# KiCad board PixelWave.kicad_pcb (continued)
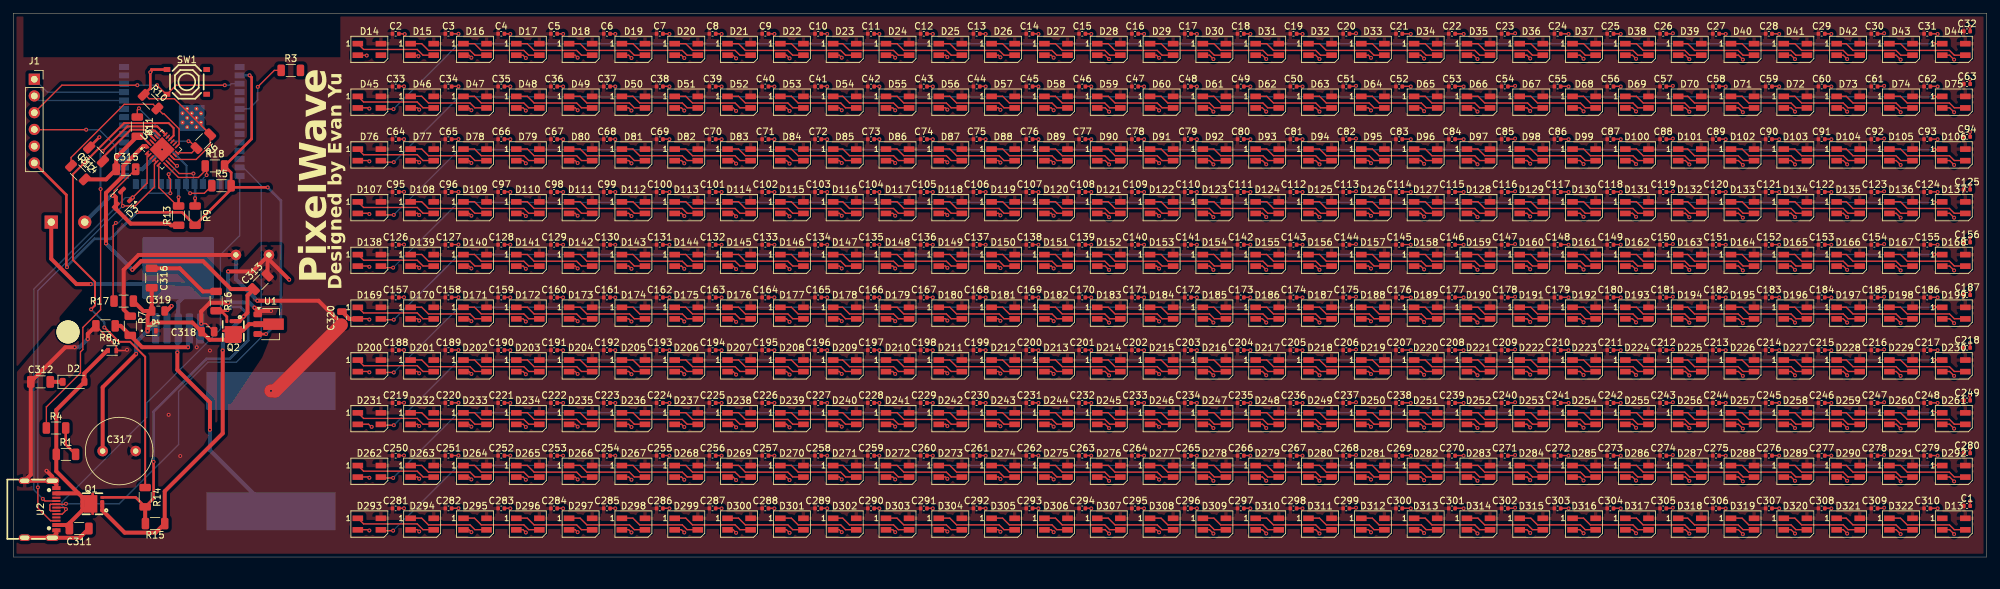
[diagram p0: board, top side]
## Placement (name value [footprint] x y rotation side) (continued)
D86  SK6812  [LED_SK6812MINI_PLCC4_3.5x3.5mm_P1.75mm]  133.95 61 0 top
D87  SK6812  [LED_SK6812MINI_PLCC4_3.5x3.5mm_P1.75mm]  141.95 61 0 top
D88  SK6812  [LED_SK6812MINI_PLCC4_3.5x3.5mm_P1.75mm]  149.95 61 0 top
D89  SK6812  [LED_SK6812MINI_PLCC4_3.5x3.5mm_P1.75mm]  157.95 61 0 top
D90  SK6812  [LED_SK6812MINI_PLCC4_3.5x3.5mm_P1.75mm]  165.95 61 0 top
D91  SK6812  [LED_SK6812MINI_PLCC4_3.5x3.5mm_P1.75mm]  173.95 61 0 top
D92  SK6812  [LED_SK6812MINI_PLCC4_3.5x3.5mm_P1.75mm]  181.95 61 0 top
D93  SK6812  [LED_SK6812MINI_PLCC4_3.5x3.5mm_P1.75mm]  189.95 61 0 top
D94  SK6812  [LED_SK6812MINI_PLCC4_3.5x3.5mm_P1.75mm]  197.95 61 0 top
D95  SK6812  [LED_SK6812MINI_PLCC4_3.5x3.5mm_P1.75mm]  205.95 61 0 top
D96  SK6812  [LED_SK6812MINI_PLCC4_3.5x3.5mm_P1.75mm]  213.95 61 0 top
D97  SK6812  [LED_SK6812MINI_PLCC4_3.5x3.5mm_P1.75mm]  221.95 61 0 top
D98  SK6812  [LED_SK6812MINI_PLCC4_3.5x3.5mm_P1.75mm]  229.95 61 0 top
D99  SK6812  [LED_SK6812MINI_PLCC4_3.5x3.5mm_P1.75mm]  237.95 61 0 top
D100  SK6812  [LED_SK6812MINI_PLCC4_3.5x3.5mm_P1.75mm]  245.95 61 0 top
D101  SK6812  [LED_SK6812MINI_PLCC4_3.5x3.5mm_P1.75mm]  253.95 61 0 top
D102  SK6812  [LED_SK6812MINI_PLCC4_3.5x3.5mm_P1.75mm]  261.95 61 0 top
D103  SK6812  [LED_SK6812MINI_PLCC4_3.5x3.5mm_P1.75mm]  269.95 61 0 top
D104  SK6812  [LED_SK6812MINI_PLCC4_3.5x3.5mm_P1.75mm]  277.95 61 0 top
D105  SK6812  [LED_SK6812MINI_PLCC4_3.5x3.5mm_P1.75mm]  285.95 61 0 top
D106  SK6812  [LED_SK6812MINI_PLCC4_3.5x3.5mm_P1.75mm]  293.95 61 0 top
D107  SK6812  [LED_SK6812MINI_PLCC4_3.5x3.5mm_P1.75mm]  53.95 53 0 top
D108  SK6812  [LED_SK6812MINI_PLCC4_3.5x3.5mm_P1.75mm]  61.95 53 0 top
D109  SK6812  [LED_SK6812MINI_PLCC4_3.5x3.5mm_P1.75mm]  69.95 53 0 top
D110  SK6812  [LED_SK6812MINI_PLCC4_3.5x3.5mm_P1.75mm]  77.95 53 0 top
D111  SK6812  [LED_SK6812MINI_PLCC4_3.5x3.5mm_P1.75mm]  85.95 53 0 top
D112  SK6812  [LED_SK6812MINI_PLCC4_3.5x3.5mm_P1.75mm]  93.95 53 0 top
D113  SK6812  [LED_SK6812MINI_PLCC4_3.5x3.5mm_P1.75mm]  101.95 53 0 top
D114  SK6812  [LED_SK6812MINI_PLCC4_3.5x3.5mm_P1.75mm]  109.95 53 0 top
D115  SK6812  [LED_SK6812MINI_PLCC4_3.5x3.5mm_P1.75mm]  117.95 53 0 top
D116  SK6812  [LED_SK6812MINI_PLCC4_3.5x3.5mm_P1.75mm]  125.95 53 0 top
D117  SK6812  [LED_SK6812MINI_PLCC4_3.5x3.5mm_P1.75mm]  133.95 53 0 top
D118  SK6812  [LED_SK6812MINI_PLCC4_3.5x3.5mm_P1.75mm]  141.95 53 0 top
D119  SK6812  [LED_SK6812MINI_PLCC4_3.5x3.5mm_P1.75mm]  149.95 53 0 top
D120  SK6812  [LED_SK6812MINI_PLCC4_3.5x3.5mm_P1.75mm]  157.95 53 0 top
D121  SK6812  [LED_SK6812MINI_PLCC4_3.5x3.5mm_P1.75mm]  165.95 53 0 top
D122  SK6812  [LED_SK6812MINI_PLCC4_3.5x3.5mm_P1.75mm]  173.95 53 0 top
D123  SK6812  [LED_SK6812MINI_PLCC4_3.5x3.5mm_P1.75mm]  181.95 53 0 top
D124  SK6812  [LED_SK6812MINI_PLCC4_3.5x3.5mm_P1.75mm]  189.95 53 0 top
D125  SK6812  [LED_SK6812MINI_PLCC4_3.5x3.5mm_P1.75mm]  197.95 53 0 top
D126  SK6812  [LED_SK6812MINI_PLCC4_3.5x3.5mm_P1.75mm]  205.95 53 0 top
D127  SK6812  [LED_SK6812MINI_PLCC4_3.5x3.5mm_P1.75mm]  213.95 53 0 top
D128  SK6812  [LED_SK6812MINI_PLCC4_3.5x3.5mm_P1.75mm]  221.95 53 0 top
D129  SK6812  [LED_SK6812MINI_PLCC4_3.5x3.5mm_P1.75mm]  229.95 53 0 top
D130  SK6812  [LED_SK6812MINI_PLCC4_3.5x3.5mm_P1.75mm]  237.95 53 0 top
D131  SK6812  [LED_SK6812MINI_PLCC4_3.5x3.5mm_P1.75mm]  245.95 53 0 top
D132  SK6812  [LED_SK6812MINI_PLCC4_3.5x3.5mm_P1.75mm]  253.95 53 0 top
D133  SK6812  [LED_SK6812MINI_PLCC4_3.5x3.5mm_P1.75mm]  261.95 53 0 top
D134  SK6812  [LED_SK6812MINI_PLCC4_3.5x3.5mm_P1.75mm]  269.95 53 0 top
D135  SK6812  [LED_SK6812MINI_PLCC4_3.5x3.5mm_P1.75mm]  277.95 53 0 top
D136  SK6812  [LED_SK6812MINI_PLCC4_3.5x3.5mm_P1.75mm]  285.95 53 0 top
D137  SK6812  [LED_SK6812MINI_PLCC4_3.5x3.5mm_P1.75mm]  293.95 53 0 top
D138  SK6812  [LED_SK6812MINI_PLCC4_3.5x3.5mm_P1.75mm]  53.95 45 0 top
D139  SK6812  [LED_SK6812MINI_PLCC4_3.5x3.5mm_P1.75mm]  61.95 45 0 top
D140  SK6812  [LED_SK6812MINI_PLCC4_3.5x3.5mm_P1.75mm]  69.95 45 0 top
D141  SK6812  [LED_SK6812MINI_PLCC4_3.5x3.5mm_P1.75mm]  77.95 45 0 top
D142  SK6812  [LED_SK6812MINI_PLCC4_3.5x3.5mm_P1.75mm]  85.95 45 0 top
D143  SK6812  [LED_SK6812MINI_PLCC4_3.5x3.5mm_P1.75mm]  93.95 45 0 top
D144  SK6812  [LED_SK6812MINI_PLCC4_3.5x3.5mm_P1.75mm]  101.95 45 0 top
D145  SK6812  [LED_SK6812MINI_PLCC4_3.5x3.5mm_P1.75mm]  109.95 45 0 top
D146  SK6812  [LED_SK6812MINI_PLCC4_3.5x3.5mm_P1.75mm]  117.95 45 0 top
D147  SK6812  [LED_SK6812MINI_PLCC4_3.5x3.5mm_P1.75mm]  125.95 45 0 top
D148  SK6812  [LED_SK6812MINI_PLCC4_3.5x3.5mm_P1.75mm]  133.95 45 0 top
D149  SK6812  [LED_SK6812MINI_PLCC4_3.5x3.5mm_P1.75mm]  141.95 45 0 top
D150  SK6812  [LED_SK6812MINI_PLCC4_3.5x3.5mm_P1.75mm]  149.95 45 0 top
D151  SK6812  [LED_SK6812MINI_PLCC4_3.5x3.5mm_P1.75mm]  157.95 45 0 top
D152  SK6812  [LED_SK6812MINI_PLCC4_3.5x3.5mm_P1.75mm]  165.95 45 0 top
D153  SK6812  [LED_SK6812MINI_PLCC4_3.5x3.5mm_P1.75mm]  173.95 45 0 top
D154  SK6812  [LED_SK6812MINI_PLCC4_3.5x3.5mm_P1.75mm]  181.95 45 0 top
D155  SK6812  [LED_SK6812MINI_PLCC4_3.5x3.5mm_P1.75mm]  189.95 45 0 top
D156  SK6812  [LED_SK6812MINI_PLCC4_3.5x3.5mm_P1.75mm]  197.95 45 0 top
D157  SK6812  [LED_SK6812MINI_PLCC4_3.5x3.5mm_P1.75mm]  205.95 45 0 top
D158  SK6812  [LED_SK6812MINI_PLCC4_3.5x3.5mm_P1.75mm]  213.95 45 0 top
D159  SK6812  [LED_SK6812MINI_PLCC4_3.5x3.5mm_P1.75mm]  221.95 45 0 top
D160  SK6812  [LED_SK6812MINI_PLCC4_3.5x3.5mm_P1.75mm]  229.95 45 0 top
D161  SK6812  [LED_SK6812MINI_PLCC4_3.5x3.5mm_P1.75mm]  237.95 45 0 top
D162  SK6812  [LED_SK6812MINI_PLCC4_3.5x3.5mm_P1.75mm]  245.95 45 0 top
D163  SK6812  [LED_SK6812MINI_PLCC4_3.5x3.5mm_P1.75mm]  253.95 45 0 top
D164  SK6812  [LED_SK6812MINI_PLCC4_3.5x3.5mm_P1.75mm]  261.95 45 0 top
D165  SK6812  [LED_SK6812MINI_PLCC4_3.5x3.5mm_P1.75mm]  269.95 45 0 top
D166  SK6812  [LED_SK6812MINI_PLCC4_3.5x3.5mm_P1.75mm]  277.95 45 0 top
D167  SK6812  [LED_SK6812MINI_PLCC4_3.5x3.5mm_P1.75mm]  285.95 45 0 top
D168  SK6812  [LED_SK6812MINI_PLCC4_3.5x3.5mm_P1.75mm]  293.95 45 0 top
D169  SK6812  [LED_SK6812MINI_PLCC4_3.5x3.5mm_P1.75mm]  53.95 37 0 top
D170  SK6812  [LED_SK6812MINI_PLCC4_3.5x3.5mm_P1.75mm]  61.95 37 0 top
D171  SK6812  [LED_SK6812MINI_PLCC4_3.5x3.5mm_P1.75mm]  69.95 37 0 top
D172  SK6812  [LED_SK6812MINI_PLCC4_3.5x3.5mm_P1.75mm]  77.95 37 0 top
D173  SK6812  [LED_SK6812MINI_PLCC4_3.5x3.5mm_P1.75mm]  85.95 37 0 top
D174  SK6812  [LED_SK6812MINI_PLCC4_3.5x3.5mm_P1.75mm]  93.95 37 0 top
D175  SK6812  [LED_SK6812MINI_PLCC4_3.5x3.5mm_P1.75mm]  101.95 37 0 top
D176  SK6812  [LED_SK6812MINI_PLCC4_3.5x3.5mm_P1.75mm]  109.95 37 0 top
D177  SK6812  [LED_SK6812MINI_PLCC4_3.5x3.5mm_P1.75mm]  117.95 37 0 top
D178  SK6812  [LED_SK6812MINI_PLCC4_3.5x3.5mm_P1.75mm]  125.95 37 0 top
D179  SK6812  [LED_SK6812MINI_PLCC4_3.5x3.5mm_P1.75mm]  133.95 37 0 top
D180  SK6812  [LED_SK6812MINI_PLCC4_3.5x3.5mm_P1.75mm]  141.95 37 0 top
D181  SK6812  [LED_SK6812MINI_PLCC4_3.5x3.5mm_P1.75mm]  149.95 37 0 top
D182  SK6812  [LED_SK6812MINI_PLCC4_3.5x3.5mm_P1.75mm]  157.95 37 0 top
D183  SK6812  [LED_SK6812MINI_PLCC4_3.5x3.5mm_P1.75mm]  165.95 37 0 top
D184  SK6812  [LED_SK6812MINI_PLCC4_3.5x3.5mm_P1.75mm]  173.95 37 0 top
D185  SK6812  [LED_SK6812MINI_PLCC4_3.5x3.5mm_P1.75mm]  181.95 37 0 top
D186  SK6812  [LED_SK6812MINI_PLCC4_3.5x3.5mm_P1.75mm]  189.95 37 0 top
D187  SK6812  [LED_SK6812MINI_PLCC4_3.5x3.5mm_P1.75mm]  197.95 37 0 top
D188  SK6812  [LED_SK6812MINI_PLCC4_3.5x3.5mm_P1.75mm]  205.95 37 0 top
D189  SK6812  [LED_SK6812MINI_PLCC4_3.5x3.5mm_P1.75mm]  213.95 37 0 top
D190  SK6812  [LED_SK6812MINI_PLCC4_3.5x3.5mm_P1.75mm]  221.95 37 0 top
D191  SK6812  [LED_SK6812MINI_PLCC4_3.5x3.5mm_P1.75mm]  229.95 37 0 top
D192  SK6812  [LED_SK6812MINI_PLCC4_3.5x3.5mm_P1.75mm]  237.95 37 0 top
D193  SK6812  [LED_SK6812MINI_PLCC4_3.5x3.5mm_P1.75mm]  245.95 37 0 top
D194  SK6812  [LED_SK6812MINI_PLCC4_3.5x3.5mm_P1.75mm]  253.95 37 0 top
D195  SK6812  [LED_SK6812MINI_PLCC4_3.5x3.5mm_P1.75mm]  261.95 37 0 top
D196  SK6812  [LED_SK6812MINI_PLCC4_3.5x3.5mm_P1.75mm]  269.95 37 0 top
D197  SK6812  [LED_SK6812MINI_PLCC4_3.5x3.5mm_P1.75mm]  277.95 37 0 top
D198  SK6812  [LED_SK6812MINI_PLCC4_3.5x3.5mm_P1.75mm]  285.95 37 0 top
D199  SK6812  [LED_SK6812MINI_PLCC4_3.5x3.5mm_P1.75mm]  293.95 37 0 top
D200  SK6812  [LED_SK6812MINI_PLCC4_3.5x3.5mm_P1.75mm]  53.95 29 0 top
D201  SK6812  [LED_SK6812MINI_PLCC4_3.5x3.5mm_P1.75mm]  61.95 29 0 top
D202  SK6812  [LED_SK6812MINI_PLCC4_3.5x3.5mm_P1.75mm]  69.95 29 0 top
D203  SK6812  [LED_SK6812MINI_PLCC4_3.5x3.5mm_P1.75mm]  77.95 29 0 top
D204  SK6812  [LED_SK6812MINI_PLCC4_3.5x3.5mm_P1.75mm]  85.95 29 0 top
D205  SK6812  [LED_SK6812MINI_PLCC4_3.5x3.5mm_P1.75mm]  93.95 29 0 top
D206  SK6812  [LED_SK6812MINI_PLCC4_3.5x3.5mm_P1.75mm]  101.95 29 0 top
D207  SK6812  [LED_SK6812MINI_PLCC4_3.5x3.5mm_P1.75mm]  109.95 29 0 top
D208  SK6812  [LED_SK6812MINI_PLCC4_3.5x3.5mm_P1.75mm]  117.95 29 0 top
D209  SK6812  [LED_SK6812MINI_PLCC4_3.5x3.5mm_P1.75mm]  125.95 29 0 top
D210  SK6812  [LED_SK6812MINI_PLCC4_3.5x3.5mm_P1.75mm]  133.95 29 0 top
D211  SK6812  [LED_SK6812MINI_PLCC4_3.5x3.5mm_P1.75mm]  141.95 29 0 top
D212  SK6812  [LED_SK6812MINI_PLCC4_3.5x3.5mm_P1.75mm]  149.95 29 0 top
D213  SK6812  [LED_SK6812MINI_PLCC4_3.5x3.5mm_P1.75mm]  157.95 29 0 top
D214  SK6812  [LED_SK6812MINI_PLCC4_3.5x3.5mm_P1.75mm]  165.95 29 0 top
D215  SK6812  [LED_SK6812MINI_PLCC4_3.5x3.5mm_P1.75mm]  173.95 29 0 top
D216  SK6812  [LED_SK6812MINI_PLCC4_3.5x3.5mm_P1.75mm]  181.95 29 0 top
D217  SK6812  [LED_SK6812MINI_PLCC4_3.5x3.5mm_P1.75mm]  189.95 29 0 top
D218  SK6812  [LED_SK6812MINI_PLCC4_3.5x3.5mm_P1.75mm]  197.95 29 0 top
D219  SK6812  [LED_SK6812MINI_PLCC4_3.5x3.5mm_P1.75mm]  205.95 29 0 top
D220  SK6812  [LED_SK6812MINI_PLCC4_3.5x3.5mm_P1.75mm]  213.95 29 0 top
D221  SK6812  [LED_SK6812MINI_PLCC4_3.5x3.5mm_P1.75mm]  221.95 29 0 top
D222  SK6812  [LED_SK6812MINI_PLCC4_3.5x3.5mm_P1.75mm]  229.95 29 0 top
D223  SK6812  [LED_SK6812MINI_PLCC4_3.5x3.5mm_P1.75mm]  237.95 29 0 top
D224  SK6812  [LED_SK6812MINI_PLCC4_3.5x3.5mm_P1.75mm]  245.95 29 0 top
D225  SK6812  [LED_SK6812MINI_PLCC4_3.5x3.5mm_P1.75mm]  253.95 29 0 top
D226  SK6812  [LED_SK6812MINI_PLCC4_3.5x3.5mm_P1.75mm]  261.95 29 0 top
D227  SK6812  [LED_SK6812MINI_PLCC4_3.5x3.5mm_P1.75mm]  269.95 29 0 top
D228  SK6812  [LED_SK6812MINI_PLCC4_3.5x3.5mm_P1.75mm]  277.95 29 0 top
D229  SK6812  [LED_SK6812MINI_PLCC4_3.5x3.5mm_P1.75mm]  285.95 29 0 top
D230  SK6812  [LED_SK6812MINI_PLCC4_3.5x3.5mm_P1.75mm]  293.95 29 0 top
D231  SK6812  [LED_SK6812MINI_PLCC4_3.5x3.5mm_P1.75mm]  53.95 21 0 top
D232  SK6812  [LED_SK6812MINI_PLCC4_3.5x3.5mm_P1.75mm]  61.95 21 0 top
D233  SK6812  [LED_SK6812MINI_PLCC4_3.5x3.5mm_P1.75mm]  69.95 21 0 top
D234  SK6812  [LED_SK6812MINI_PLCC4_3.5x3.5mm_P1.75mm]  77.95 21 0 top
D235  SK6812  [LED_SK6812MINI_PLCC4_3.5x3.5mm_P1.75mm]  85.95 21 0 top
D236  SK6812  [LED_SK6812MINI_PLCC4_3.5x3.5mm_P1.75mm]  93.95 21 0 top
D237  SK6812  [LED_SK6812MINI_PLCC4_3.5x3.5mm_P1.75mm]  101.95 21 0 top
D238  SK6812  [LED_SK6812MINI_PLCC4_3.5x3.5mm_P1.75mm]  109.95 21 0 top
D239  SK6812  [LED_SK6812MINI_PLCC4_3.5x3.5mm_P1.75mm]  117.95 21 0 top
D240  SK6812  [LED_SK6812MINI_PLCC4_3.5x3.5mm_P1.75mm]  125.95 21 0 top
D241  SK6812  [LED_SK6812MINI_PLCC4_3.5x3.5mm_P1.75mm]  133.95 21 0 top
D242  SK6812  [LED_SK6812MINI_PLCC4_3.5x3.5mm_P1.75mm]  141.95 21 0 top
D243  SK6812  [LED_SK6812MINI_PLCC4_3.5x3.5mm_P1.75mm]  149.95 21 0 top
D244  SK6812  [LED_SK6812MINI_PLCC4_3.5x3.5mm_P1.75mm]  157.95 21 0 top
D245  SK6812  [LED_SK6812MINI_PLCC4_3.5x3.5mm_P1.75mm]  165.95 21 0 top
D246  SK6812  [LED_SK6812MINI_PLCC4_3.5x3.5mm_P1.75mm]  173.95 21 0 top
D247  SK6812  [LED_SK6812MINI_PLCC4_3.5x3.5mm_P1.75mm]  181.95 21 0 top
D248  SK6812  [LED_SK6812MINI_PLCC4_3.5x3.5mm_P1.75mm]  189.95 21 0 top
D249  SK6812  [LED_SK6812MINI_PLCC4_3.5x3.5mm_P1.75mm]  197.95 21 0 top
D250  SK6812  [LED_SK6812MINI_PLCC4_3.5x3.5mm_P1.75mm]  205.95 21 0 top
D251  SK6812  [LED_SK6812MINI_PLCC4_3.5x3.5mm_P1.75mm]  213.95 21 0 top
D252  SK6812  [LED_SK6812MINI_PLCC4_3.5x3.5mm_P1.75mm]  221.95 21 0 top
D253  SK6812  [LED_SK6812MINI_PLCC4_3.5x3.5mm_P1.75mm]  229.95 21 0 top
D254  SK6812  [LED_SK6812MINI_PLCC4_3.5x3.5mm_P1.75mm]  237.95 21 0 top
D255  SK6812  [LED_SK6812MINI_PLCC4_3.5x3.5mm_P1.75mm]  245.95 21 0 top
D256  SK6812  [LED_SK6812MINI_PLCC4_3.5x3.5mm_P1.75mm]  253.95 21 0 top
D257  SK6812  [LED_SK6812MINI_PLCC4_3.5x3.5mm_P1.75mm]  261.95 21 0 top
D258  SK6812  [LED_SK6812MINI_PLCC4_3.5x3.5mm_P1.75mm]  269.95 21 0 top
D259  SK6812  [LED_SK6812MINI_PLCC4_3.5x3.5mm_P1.75mm]  277.95 21 0 top
D260  SK6812  [LED_SK6812MINI_PLCC4_3.5x3.5mm_P1.75mm]  285.95 21 0 top
D261  SK6812  [LED_SK6812MINI_PLCC4_3.5x3.5mm_P1.75mm]  293.95 21 0 top
D262  SK6812  [LED_SK6812MINI_PLCC4_3.5x3.5mm_P1.75mm]  53.95 13 0 top
D263  SK6812  [LED_SK6812MINI_PLCC4_3.5x3.5mm_P1.75mm]  61.95 13 0 top
D264  SK6812  [LED_SK6812MINI_PLCC4_3.5x3.5mm_P1.75mm]  69.95 13 0 top
D265  SK6812  [LED_SK6812MINI_PLCC4_3.5x3.5mm_P1.75mm]  77.95 13 0 top
D266  SK6812  [LED_SK6812MINI_PLCC4_3.5x3.5mm_P1.75mm]  85.95 13 0 top
D267  SK6812  [LED_SK6812MINI_PLCC4_3.5x3.5mm_P1.75mm]  93.95 13 0 top
D268  SK6812  [LED_SK6812MINI_PLCC4_3.5x3.5mm_P1.75mm]  101.95 13 0 top
D269  SK6812  [LED_SK6812MINI_PLCC4_3.5x3.5mm_P1.75mm]  109.95 13 0 top
D270  SK6812  [LED_SK6812MINI_PLCC4_3.5x3.5mm_P1.75mm]  117.95 13 0 top
D271  SK6812  [LED_SK6812MINI_PLCC4_3.5x3.5mm_P1.75mm]  125.95 13 0 top
D272  SK6812  [LED_SK6812MINI_PLCC4_3.5x3.5mm_P1.75mm]  133.95 13 0 top
D273  SK6812  [LED_SK6812MINI_PLCC4_3.5x3.5mm_P1.75mm]  141.95 13 0 top
D274  SK6812  [LED_SK6812MINI_PLCC4_3.5x3.5mm_P1.75mm]  149.95 13 0 top
D275  SK6812  [LED_SK6812MINI_PLCC4_3.5x3.5mm_P1.75mm]  157.95 13 0 top
D276  SK6812  [LED_SK6812MINI_PLCC4_3.5x3.5mm_P1.75mm]  165.95 13 0 top
D277  SK6812  [LED_SK6812MINI_PLCC4_3.5x3.5mm_P1.75mm]  173.95 13 0 top
D278  SK6812  [LED_SK6812MINI_PLCC4_3.5x3.5mm_P1.75mm]  181.95 13 0 top
D279  SK6812  [LED_SK6812MINI_PLCC4_3.5x3.5mm_P1.75mm]  189.95 13 0 top
D280  SK6812  [LED_SK6812MINI_PLCC4_3.5x3.5mm_P1.75mm]  197.95 13 0 top
D281  SK6812  [LED_SK6812MINI_PLCC4_3.5x3.5mm_P1.75mm]  205.95 13 0 top
D282  SK6812  [LED_SK6812MINI_PLCC4_3.5x3.5mm_P1.75mm]  213.95 13 0 top
D283  SK6812  [LED_SK6812MINI_PLCC4_3.5x3.5mm_P1.75mm]  221.95 13 0 top
D284  SK6812  [LED_SK6812MINI_PLCC4_3.5x3.5mm_P1.75mm]  229.95 13 0 top
D285  SK6812  [LED_SK6812MINI_PLCC4_3.5x3.5mm_P1.75mm]  237.95 13 0 top
D286  SK6812  [LED_SK6812MINI_PLCC4_3.5x3.5mm_P1.75mm]  245.95 13 0 top
D287  SK6812  [LED_SK6812MINI_PLCC4_3.5x3.5mm_P1.75mm]  253.95 13 0 top
D288  SK6812  [LED_SK6812MINI_PLCC4_3.5x3.5mm_P1.75mm]  261.95 13 0 top
D289  SK6812  [LED_SK6812MINI_PLCC4_3.5x3.5mm_P1.75mm]  269.95 13 0 top
D290  SK6812  [LED_SK6812MINI_PLCC4_3.5x3.5mm_P1.75mm]  277.95 13 0 top
D291  SK6812  [LED_SK6812MINI_PLCC4_3.5x3.5mm_P1.75mm]  285.95 13 0 top
D292  SK6812  [LED_SK6812MINI_PLCC4_3.5x3.5mm_P1.75mm]  293.95 13 0 top
D293  SK6812  [LED_SK6812MINI_PLCC4_3.5x3.5mm_P1.75mm]  53.95 5 0 top
D294  SK6812  [LED_SK6812MINI_PLCC4_3.5x3.5mm_P1.75mm]  61.95 5 0 top
D295  SK6812  [LED_SK6812MINI_PLCC4_3.5x3.5mm_P1.75mm]  69.95 5 0 top
D296  SK6812  [LED_SK6812MINI_PLCC4_3.5x3.5mm_P1.75mm]  77.95 5 0 top
D297  SK6812  [LED_SK6812MINI_PLCC4_3.5x3.5mm_P1.75mm]  85.95 5 0 top
D298  SK6812  [LED_SK6812MINI_PLCC4_3.5x3.5mm_P1.75mm]  93.95 5 0 top
D299  SK6812  [LED_SK6812MINI_PLCC4_3.5x3.5mm_P1.75mm]  101.95 5 0 top
D300  SK6812  [LED_SK6812MINI_PLCC4_3.5x3.5mm_P1.75mm]  109.95 5 0 top
D301  SK6812  [LED_SK6812MINI_PLCC4_3.5x3.5mm_P1.75mm]  117.95 5 0 top
D302  SK6812  [LED_SK6812MINI_PLCC4_3.5x3.5mm_P1.75mm]  125.95 5 0 top
D303  SK6812  [LED_SK6812MINI_PLCC4_3.5x3.5mm_P1.75mm]  133.95 5 0 top
D304  SK6812  [LED_SK6812MINI_PLCC4_3.5x3.5mm_P1.75mm]  141.95 5 0 top
D305  SK6812  [LED_SK6812MINI_PLCC4_3.5x3.5mm_P1.75mm]  149.95 5 0 top
D306  SK6812  [LED_SK6812MINI_PLCC4_3.5x3.5mm_P1.75mm]  157.95 5 0 top
D307  SK6812  [LED_SK6812MINI_PLCC4_3.5x3.5mm_P1.75mm]  165.95 5 0 top
D308  SK6812  [LED_SK6812MINI_PLCC4_3.5x3.5mm_P1.75mm]  173.95 5 0 top
D309  SK6812  [LED_SK6812MINI_PLCC4_3.5x3.5mm_P1.75mm]  181.95 5 0 top
D310  SK6812  [LED_SK6812MINI_PLCC4_3.5x3.5mm_P1.75mm]  189.95 5 0 top
D311  SK6812  [LED_SK6812MINI_PLCC4_3.5x3.5mm_P1.75mm]  197.95 5 0 top
D312  SK6812  [LED_SK6812MINI_PLCC4_3.5x3.5mm_P1.75mm]  205.95 5 0 top
D313  SK6812  [LED_SK6812MINI_PLCC4_3.5x3.5mm_P1.75mm]  213.95 5 0 top
D314  SK6812  [LED_SK6812MINI_PLCC4_3.5x3.5mm_P1.75mm]  221.95 5 0 top
D315  SK6812  [LED_SK6812MINI_PLCC4_3.5x3.5mm_P1.75mm]  229.95 5 0 top
D316  SK6812  [LED_SK6812MINI_PLCC4_3.5x3.5mm_P1.75mm]  237.95 5 0 top
D317  SK6812  [LED_SK6812MINI_PLCC4_3.5x3.5mm_P1.75mm]  245.95 5 0 top
D318  SK6812  [LED_SK6812MINI_PLCC4_3.5x3.5mm_P1.75mm]  253.95 5 0 top
D319  SK6812  [LED_SK6812MINI_PLCC4_3.5x3.5mm_P1.75mm]  261.95 5 0 top
D320  SK6812  [LED_SK6812MINI_PLCC4_3.5x3.5mm_P1.75mm]  269.95 5 0 top
D321  SK6812  [LED_SK6812MINI_PLCC4_3.5x3.5mm_P1.75mm]  277.95 5 0 top
D322  SK6812  [LED_SK6812MINI_PLCC4_3.5x3.5mm_P1.75mm]  285.95 5 0 top
J1  Conn_01x06  [PinSocket_1x06_P2.54mm_Vertical]  3.2 72.48 0 top
L1  47uH/12A  [L_Pulse_PA4349]  39.05 16.07 90 bottom
Q1  -  [STL6P3LLH6]  11.99 8.07 90 top
Q2  -  [STL6P3LLH6]  33.34 34.27 180 top
R1  470  [R_1206_3216Metric]  7.99 15.57 0 top
R3  330  [R_1206_3216Metric]  42.05 73.82 0 top
R4  1k  [R_1206_3216Metric]  6.49 19.57 180 top
R5  4.7k  [R_1206_3216Metric]  31.55 56.32 0 top
R6  100k  [R_1206_3216Metric]  28.8 63.07 225 top
R7  10k  [R_1206_3216Metric]  17.74 35.07 270 top
R8  3.3k  [R_1206_3216Metric]  13.99 35.07 180 top
R9  4.7k  [R_1206_3216Metric]  27.55 51.79 270 top
R10  100k  [R_1206_3216Metric]  20.8 69.07 315 top
R11  NC  [R_1206_3216Metric]  18.8 65.29 270 top
R12  NC  [R_1206_3216Metric]  9.8 58.32 315 top
R13  10k  [R_1206_3216Metric]  25.05 51.79 270 top
R14  22k  [R_1206_3216Metric]  19.99 9.07 270 top
R15  100k  [R_1206_3216Metric]  21.49 5.07 0 top
R16  100  [R_1206_3216Metric]  30.74 38.82 270 top
R17  1k  [R_1206_3216Metric]  16.74 38.82 180 top
R18  4.7k  [R_1206_3216Metric]  30.55 59.32 0 top
SW1  ~  [SW-SMD_4P-L5.1-W5.1-P3.70-LS6.5-TL_H1.5]  26.3 72.07 0 top
U1  HT7533-1  [SOT-89-3]  38.99 35.32 0 top
U2  ~  [USB-C-SMD_G-SWITCH_GT-USB-7010ASV]  4.14 7.25 270 top
U3  -  [ESP32-S3-WROOM-1]  25.55 69.07 180 bottom
U4  XL4016  [TO-263-5_TabPin3]  24.99 42.32 90 bottom
U5  STUSB4500QTR  [QFN-24-1EP_4x4mm_P0.5mm_EP2.7x2.7mm]  22.55 61.82 45 top

## Library data of the parts
C1-C310 = -: Description: Unpolarized capacitor; LCSC: C60474; ki_fp_filters: C_*
C311 = -: Description: Unpolarized capacitor; LCSC: C29823; ki_fp_filters: C_*
C312-C315 = -: Description: Unpolarized capacitor; LCSC: C1848; ki_fp_filters: C_*
C316 = -: Description: Unpolarized capacitor; LCSC: C24497; ki_fp_filters: C_*
C317 C321 = -: Description: Unpolarized capacitor; ki_fp_filters: C_*
C318-C320 = -: Description: Unpolarized capacitor; LCSC: C28323; ki_fp_filters: C_*
D1 D4 = -: Description: Diode; Sim.Device: D; Sim.Pins: 1=K 2=A; PARTREV: 2; STANDARD: Manufacturer Recommendations; MAXIMUM_PACKAGE_HEIGHT: 0.6 mm; MANUFACTURER: STMicroelectronics; LCSC: C1974707
D2 = -: Description: Schottky diode; Sim.Device: D; Sim.Pins: 1=K 2=A; LCSC: C191023; ki_fp_filters: TO-???* *_Diode_* *SingleDiode* D_*
D3 = -: Datasheet: https://www.st.com/resource/en/datasheet/esdal.pdf; Description: TVS Diode Array, 5.5V Standoff, 2 Channels, SOT23; LCSC: C87911; ki_fp_filters: SOT?23*
D5 = -: Description: Schottky diode; LCSC: C260262; ki_fp_filters: TO-???* *_Diode_* *SingleDiode* D_*
D13-D322 = -: Datasheet: https://cdn-shop.adafruit.com/product-files/2686/SK6812MINI_REV.01-1-2.pdf; Description: RGB LED with integrated controller; LCSC: C2886570; ki_fp_filters: LED*SK6812MINI*PLCC*3.5x3.5mm*P1.75mm*
J1 = -: Description: Generic connector, single row, 01x06, script generated (kicad-library-utils/schlib/autogen/connector/); ki_fp_filters: Connector*:*_1x??_*
L1 = -: Datasheet: https://atta.szlcsc.com/upload/public/pdf/source/20240313/975BD6823DE6C304357683F4CE864895.pdf; Description: Inductance: Tolerance:±10% Tolerance:±10% Current Rating:12A Type:Magnetic ring inductance Wire Diameter:1.5mm; Manufacturer Part: XR106125TS470MV1L5; Manufacturer: XR(祥如); Supplier Part: C22358529; Supplier: LCSC; LCSC Part Name: 带热缩套管
Q1 Q2 = -: MF: STMicroelectronics; MAXIMUM_PACKAGE_HEIGHT: 0.9 mm; Package: None; Price: None; Check_prices: https://www.snapeda.com/parts/STL6P3LLH6/STMicroelectronics/view-part/?ref=eda; STANDARD: Manufacturer Recommendations; PARTREV: 4; SnapEDA_Link: https://www.snapeda.com/parts/STL6P3LLH6/STMicroelectronics/view-part/?ref=snap; Description_1: P-Channel 30 V 6A (Tc) 2.9W (Tc) Surface Mount PowerFlat™ (3.3x3.3); Availability: In Stock; MANUFACTURER: STMicroelectronics; LCSC: C22366875
R1 = -: Description: Resistor; LCSC: C4502; ki_fp_filters: R_*
R3 = -: Description: Resistor; LCSC: C25374; ki_fp_filters: R_*
R4 R17 = -: Description: Resistor; LCSC: C4410; ki_fp_filters: R_*
R5 R9 R18 = -: Description: Resistor; LCSC: C17936; ki_fp_filters: R_*
R6 R10 R15 = -: Description: Resistor; LCSC: C17900; ki_fp_filters: R_*
R7 R13 = -: Description: Resistor; LCSC: C17902; ki_fp_filters: R_*
R8 = -: Description: Resistor; LCSC: C26032; ki_fp_filters: R_*
R11 R12 = -: Description: Resistor; ki_fp_filters: R_*
R14 = -: Description: Resistor; LCSC: C25830; ki_fp_filters: R_*
R16 = -: Description: Resistor; LCSC: C17901; ki_fp_filters: R_*
SW1 = -: Datasheet: https://atta.szlcsc.com/upload/public/pdf/source/20200227/C318890_053E50208A88A7BA1965D8746000774E.pdf; Description: Circuit:SPST Actuator Style:Round Button Operating Force:160gf Mounting Style:Brick nogging Switch Length:5.1mm Switch Width:5.1mm Switch Height:1.5mm Strike Gundam:不带 Contact Current:50mA Voltage Rating (DC):12V Insulation Resistance:- Actuator/Cap Color; Manufacturer Part: TS-1187A-B-A-B; Manufacturer: XKB Connectivity(中国星坤); Supplier Part: C318884; Supplier: LCSC; LCSC Part Name: 5.1*5.1*1.5mm 立贴 轻触开关; LCSC: C318884
U1 = -: Datasheet: https://www.holtek.com/documents/10179/116711/HT75xx-1v250.pdf; Description: 100mA Low Dropout Voltage Regulator, Fixed Output, SOT89; LCSC: C14289; ki_fp_filters: SOT?89*
U2 = -: Datasheet: https://atta.szlcsc.com/upload/public/pdf/source/20230327/DF227B64686AC8FA0AD1775797F2C3F1.pdf; Description: Connector Type:Type-C Standard:USB 2.0 Gender:Female Mounting Style:Horizontal attachment Number of Contacts:16P Number of Ports:1 Current Rating - Power (Max):3A Rated Voltage (Max):24V Connect-Disconnect Life:10,000 times Center Height:1.68mm Length:7.3; Manufacturer Part: GT-USB-7010ASV; Manufacturer: G-Switch(品赞); Supplier Part: C2988369; Supplier: LCSC; LCSC Part Name: Type-C 母 卧贴; LCSC: C2988369
U3 = -: Datasheet: https://www.espressif.com/sites/default/files/documentation/esp32-s3-wroom-1_wroom-1u_datasheet_en.pdf; Description: RF Module, ESP32-S3 SoC, Wi-Fi 802.11b/g/n, Bluetooth, BLE, 32-bit, 3.3V, onboard antenna, SMD; ki_fp_filters: ESP32?S3?WROOM?1*
U4 = -: Datasheet: http://www.xlsemi.net/datasheet/XL4015%20datasheet-English.pdf; Description: 5A 180kHz 36V Buck DC to DC Converter; LCSC: C55881; ki_fp_filters: TO?263*
U5 = -: Datasheet: https://www.st.com/resource/en/datasheet/stusb4500.pdf; Description: Stand-alone USB PD controller (with sink Auto-run mode), QFN-24; LCSC: C2678061; ki_fp_filters: QFN*4x4mm*P0.5mm*

## Footprints (pads in the part's own frame, mm; a bottom-side part is the same pattern mirrored in y, then rotated)
C_0402_1005Metric
  rrect 0.56x0.62 smd: 1(-0.48,0) 2(0.48,0)
C_0805_2012Metric
  rrect 1x1.45 smd: 1(-0.95,0) 2(0.95,0)
C_1206_3216Metric
  rrect 1.15x1.8 smd: 1(-1.475,0) 2(1.475,0)
C_Radial_D10.0mm_H16.0mm_P5.00mm
  round 1.6 hole 0.8: 1(0,0) 2(5,0)
D_SOD-123
  rrect 0.9x1.2 smd: 1(-1.65,0) 2(1.65,0)
ESP32-S3-WROOM-1
  rect 0.9x0.9 smd: (-2.9,-3.86) (-2.9,-2.46) (-2.9,-1.06) (-1.5,-3.86) (-1.5,-2.46) (-1.5,-1.06) (-0.1,-3.86) (-0.1,-2.46) (-0.1,-1.06)
  rect 1.5x0.9 smd: 1(-8.75,5.26) 2(-8.75,3.99) 3(-8.75,2.72) 4(-8.75,1.45) 5(-8.75,0.18) 6(-8.75,-1.09) 7(-8.75,-2.36) 8(-8.75,-3.63) 9(-8.75,-4.9) 10(-8.75,-6.17) 11(-8.75,-7.44) 12(-8.75,-8.71) 13(-8.75,-9.98) 14(-8.75,-11.25) 27(8.75,-11.25) 28(8.75,-9.98) 29(8.75,-8.71) 30(8.75,-7.44) 31(8.75,-6.17) 32(8.75,-4.9) 33(8.75,-3.63) 34(8.75,-2.36) 35(8.75,-1.09) 36(8.75,0.18) 37(8.75,1.45) 38(8.75,2.72) 39(8.75,3.99) 40(8.75,5.26)
  rect 0.9x1.5 smd: 15(-6.985,-12.5) 16(-5.715,-12.5) 17(-4.445,-12.5) 18(-3.175,-12.5) 19(-1.905,-12.5) 20(-0.635,-12.5) 21(0.635,-12.5) 22(1.905,-12.5) 23(3.175,-12.5) 24(4.445,-12.5) 25(5.715,-12.5) 26(6.985,-12.5)
  round 0.6 hole 0.2: 41(-2.9,-3.16) 41(-2.9,-1.76) 41(-2.2,-3.86) 41(-2.2,-2.46) 41(-2.2,-1.06) 41(-1.5,-3.16) 41(-1.5,-1.76) 41(-0.8,-3.86) 41(-0.8,-2.46) 41(-0.8,-1.06) 41(-0.1,-3.16) 41(-0.1,-1.76)
  rect 3.9x3.9 smd: 41(-1.5,-2.46)
L_Pulse_PA4349
  rect 5.75x19.6 smd: 1(-9.125,0) 2(9.125,0)
LED_SK6812MINI_PLCC4_3.5x3.5mm_P1.75mm
  rect 1.6x0.85 smd: 1(-1.75,0.875) 2(-1.75,-0.875) 3(1.75,-0.875) 4(1.75,0.875)
PinSocket_1x06_P2.54mm_Vertical
  rect 1.7x1.7 hole 1: 1(0,0)
  oval 1.7x1.7 hole 1: 2(0,-2.54) 3(0,-5.08) 4(0,-7.62) 5(0,-10.16) 6(0,-12.7)
QFN-24-1EP_4x4mm_P0.5mm_EP2.7x2.7mm
  rrect 1.09x1.09 smd: (-0.675,0.675) (-0.675,-0.675) (0.675,0.675) (0.675,-0.675)
  rrect 0.825x0.25 smd: 1(-1.963,1.25) 2(-1.962,0.75) 3(-1.962,0.25) 4(-1.962,-0.25) 5(-1.962,-0.75) 6(-1.963,-1.25) 13(1.963,-1.25) 14(1.962,-0.75) 15(1.962,-0.25) 16(1.962,0.25) 17(1.962,0.75) 18(1.963,1.25)
  rrect 0.25x0.825 smd: 7(-1.25,-1.963) 8(-0.75,-1.962) 9(-0.25,-1.962) 10(0.25,-1.962) 11(0.75,-1.962) 12(1.25,-1.963) 19(1.25,1.963) 20(0.75,1.962) 21(0.25,1.962) 22(-0.25,1.962) 23(-0.75,1.962) 24(-1.25,1.963)
  rect 2.7x2.7 smd: 25(0,0)
R_1206_3216Metric
  rrect 1.125x1.75 smd: 1(-1.462,0) 2(1.462,0)
SOT-23-3
  rrect 1.325x0.6 smd: 1(-1.137,0.95) 2(-1.137,-0.95) 3(1.137,0)
SOT-89-3
  rrect 1.3x0.9 smd: 1(-1.95,1.5) 3(-1.95,-1.5)
  custom 4.6x1.733 smd: 2(-1.863,0)
STL6P3LLH6
  rect 0.4x0.56 smd: 1(-0.975,-1.5) 2(-0.325,-1.5) 3(0.325,-1.5) 4(0.975,-1.5)
  rect 0.4x0.6 smd: 5(0.975,1.5) 6(0.325,1.5) 7(-0.325,1.5) 8(-0.975,1.5)
  rect 0.56x0.4 smd: 9(-1.4,-0.05) 9(1.4,-0.05)
  rect 2.65x2 smd: 9(-0.01,0.25)
SW-SMD_4P-L5.1-W5.1-P3.70-LS6.5-TL_H1.5
  rect 1x0.75 smd: 1(-3,1.875) 2(3,1.875) 3(-3,-1.875) 4(3,-1.875)
TO-220-2_Horizontal_TabDown
  round 3.5 hole 3.5 unplated: (2.54,16.66)
  rect 2x2 hole 1.1: 1(0,0)
  round 2 hole 1.1: 2(5.08,0)
TO-263-5_TabPin3
  rrect 4.6x1.1 smd: 1(-7.65,3.4) 2(-7.65,1.7) 3(-7.65,0) 4(-7.65,-1.7) 5(-7.65,-3.4)
  rrect 4.55x5.25 smd: 3(-0.925,-2.775) 3(-0.925,2.775) 3(3.925,-2.775) 3(3.925,2.775)
  rrect 9.4x10.8 smd: 3(1.5,0)
TVS_ESDA25P35-1U1M
  rect 0.55x0.8 smd: A(0.625,0) C(-0.625,0)
USB-C-SMD_G-SWITCH_GT-USB-7010ASV
  oval 1x2.1 hole 0.6x1.7: 1(-4.32,1.78) 2(4.32,1.78)
  oval 1x1.8 hole 0.6x1.4: 3(4.32,-2.4) 4(-4.32,-2.4)
  rect 0.6x1.24 smd: A1B12(-3.2,2.4) A4B9(-2.4,2.4) B1A12(3.2,2.4) B4A9(2.4,2.4)
  rect 0.3x1.24 smd: A5(-1.25,2.4) A6(-0.25,2.4) A7(0.25,2.4) A8(1.25,2.4) B5(1.75,2.4) B6(0.75,2.4) B7(-0.75,2.4) B8(-1.75,2.4)

## Nets
+2V7: C315.1 R11.2 R12.2 U5.23
+3V3: J1.6 R5.2 R9.2 R18.2 U1.3 U3.2
